# KiCad board haasoscope_pro_adc_fpga_board.kicad_pcb (continued)
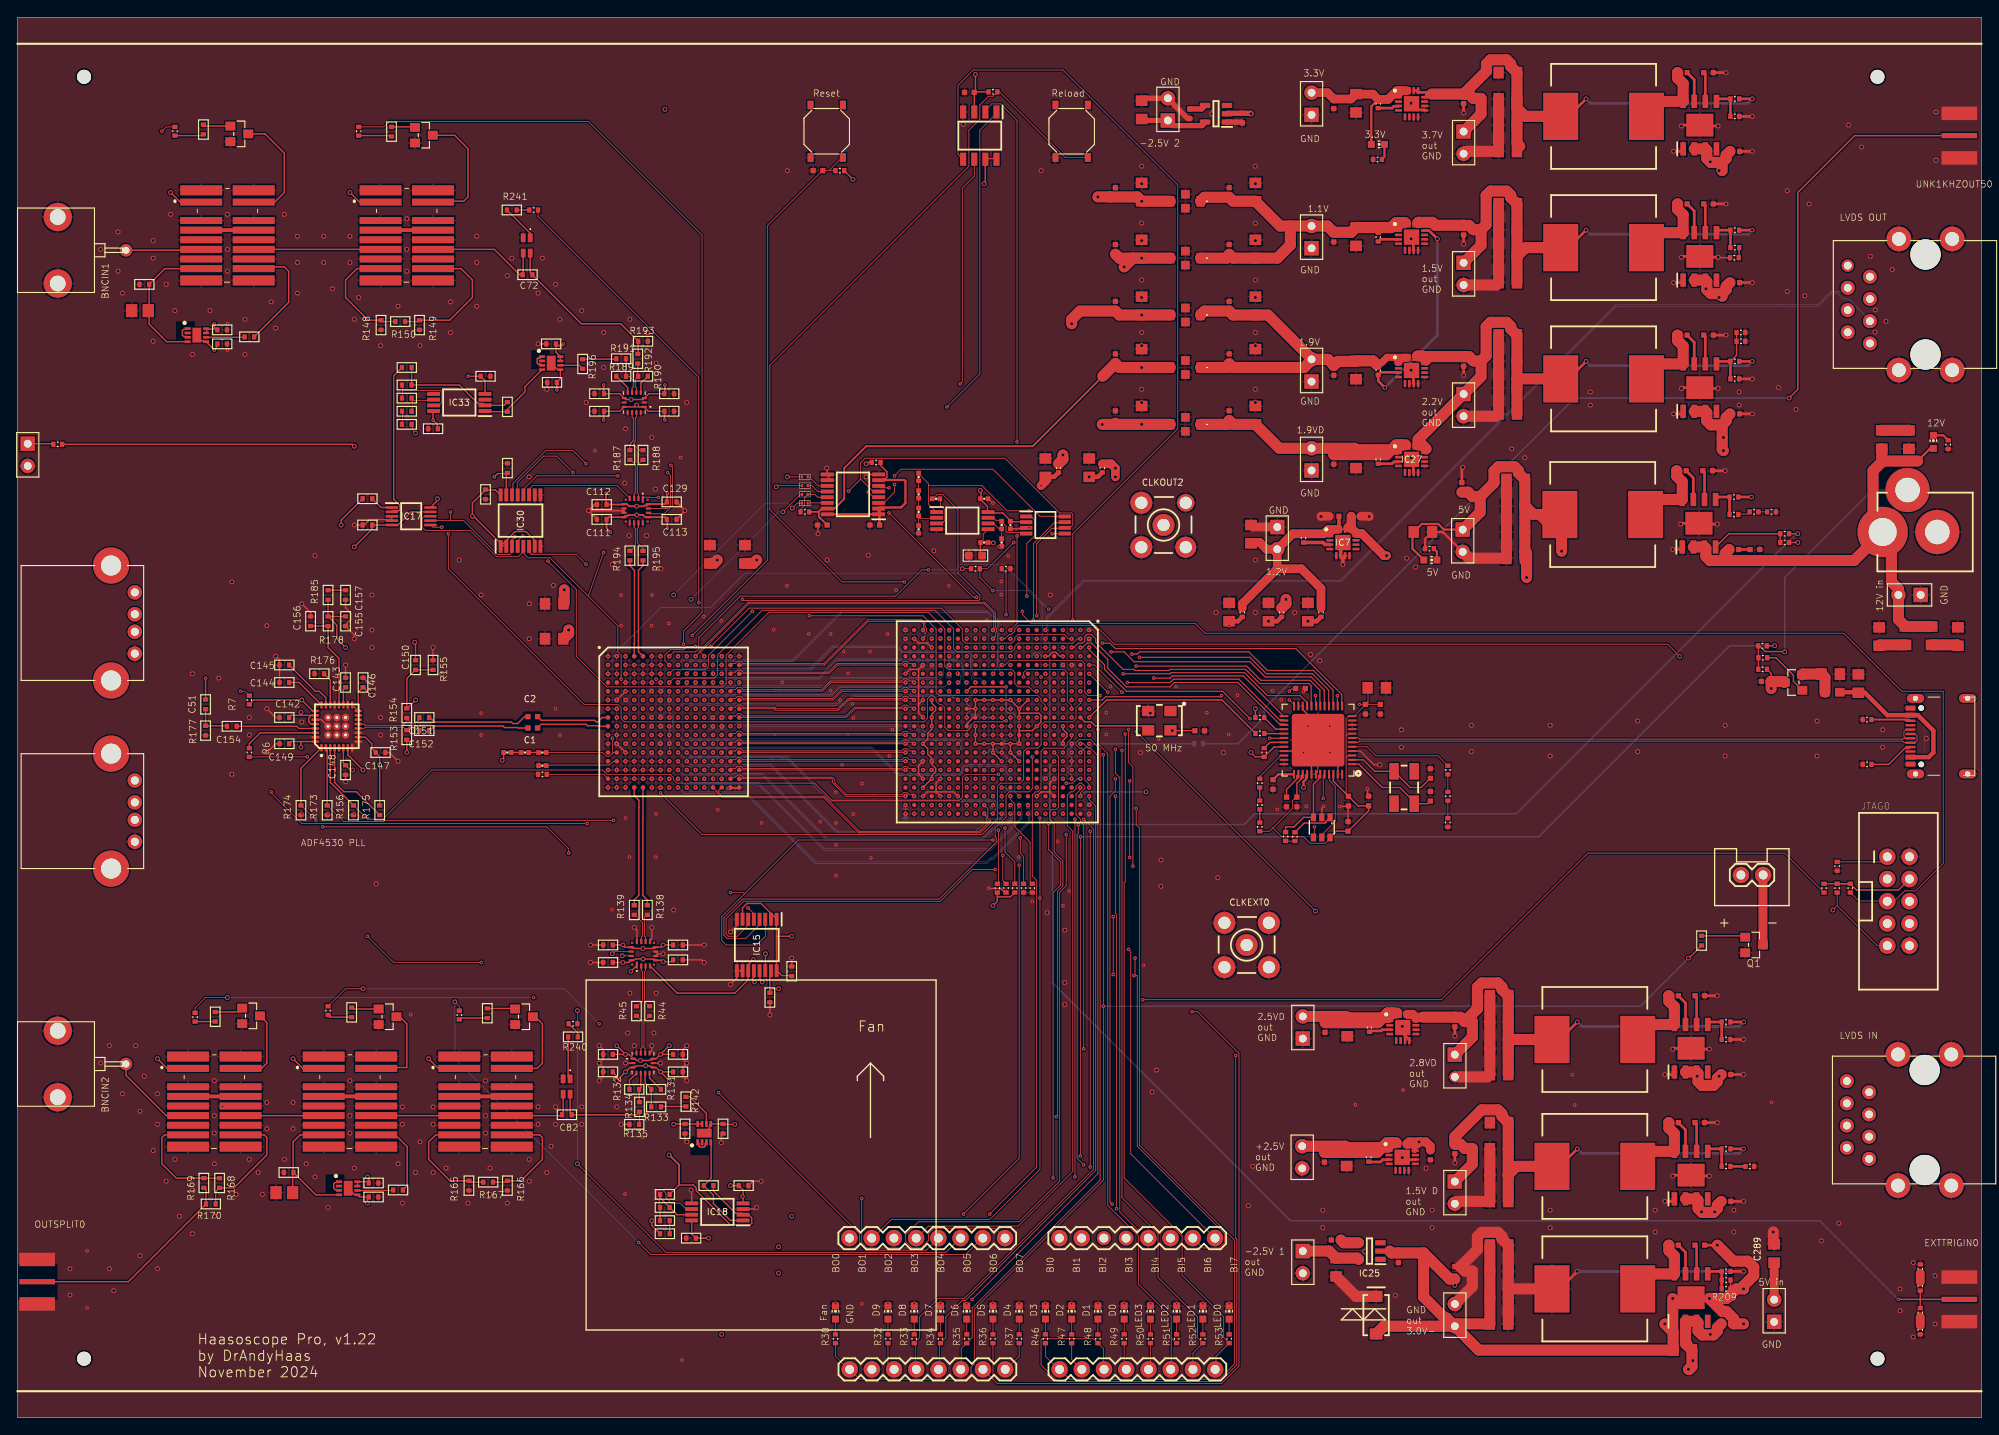
[diagram p0: board, top side]
## Nets (continued)
GND: BNCIN1.GND1 BNCIN1.GND2 BNCIN2.GND1 BNCIN2.GND2 C3.1 C4.1 C5.2 C5.4 C6.1 C7.1 C8.1 C9.1 C10.1 C11.1 C12.1 C13.1 C14.1 C15.2 C15.4 C16.1 C17.1 C18.1 C19.1 C20.1 C21.1 C22.1 C23.1 C24.1 C25.2 C25.4 C26.1 C27.1 C28.1 C29.1 C30.1 C31.1 C32.1 C33.1 C34.1 C35.2 C35.4 C36.1 C37.1 C38.1 C39.1 C40.1 C41.1 C42.1 C43.1 C44.2 C45.2 C45.4 C46.1 C47.1 C48.1 C49.1 C50.2 C52.2 C53.2 C54.2 C55.P$2 C56.P$2 C57.1 C58.1 C59.1 C60.1 C61.1 C62.1 C63.1 C64.1 C65.1 C66.1 C67.1 C68.1 C69.1 C70.1 C71.1 C73.2 C74.2 C75.P$2 C76.2 C77.2 C78.P$2 C79.1 C84.P$2 C85.P$2 C86.P$2 C87.P$2 C88.P$2 C89.P$2 C90.P$2 C91.P$2 C92.P$2 C93.P$2 C94.P$2 C95.P$2 C96.P$2 C97.P$2 C98.P$2 C107.P$2 C108.P$2 C109.P$2 C110.P$2 C111.P$2 C112.P$2 C113.P$2 C114.1 C115.1 C116.1 C117.1 C118.1 C119.1 C120.1 C121.1 C122.1 C123.1 C124.1 C125.1 C126.1 C127.2 C128.2 C129.P$2 C130.P$2 C131.P$2 C132.P$2 C133.P$2 C134.P$2 C135.P$2 C142.P$1 C143.P$2 C144.P$2 C145.P$1 C146.P$1 C147.P$1 C148.P$1 C149.P$2 C150.P$2 C155.P$2 C156.P$2 C157.P$2 C243.2 C244.2 C245.2 C246.2 C247.2 C248.2 C249.2 C250.2 C251.2 C252.2 C253.2 C254.2 C255.2 C256.2 C257.2 C258.2 C259.2 C261.2 C262.2 C263.2 C265.2 C266.2 C267.2 C269.2 C270.2 C271.2 C273.2 C274.2 C275.2 C277.2 C278.2 C282.1 C285.2 C286.2 C287.2 C289.2 C290.2 C291.2 C292.2 C293.2 C294.1 C295.1 C296.1 C297.1 C298.2 C299.2 C300.2 C301.2 C302.2 C303.2 C304.2 C305.2 C306.2 C307.2 C308.2 C309.2 C310.2 C311.2 C312.2 C313.2 C314.2 C315.2 C316.2 C317.2 C318.2 C321.2 C322.2 CLKEXT0.2 CLKEXT0.3 CLKEXT0.4 CLKEXT0.5 CLKOUT2.2 CLKOUT2.3 CLKOUT2.4 CLKOUT2.5 CN2.GND D10.C EXTTRIGIN0.GND@1 EXTTRIGIN0.GND@2 EXTTRIGIN0.GND@3 EXTTRIGIN0.GND@4 IC1.A1 IC1.A2 IC1.A3 IC1.A6 IC1.A7 IC1.A15 IC1.A16 IC1.B3 IC1.B4 IC1.B5 IC1.B6 IC1.B7 IC1.C1 IC1.C2 IC1.C3 IC1.C4 IC1.C5 IC1.C6 IC1.C7 IC1.D3 IC1.D4 IC1.D5 IC1.D6 IC1.D7 IC1.E3 IC1.E7 IC1.F1 IC1.F2 IC1.F7 IC1.G1 IC1.G2 IC1.G7 IC1.H2 IC1.H7 IC1.H8 IC1.H14 IC1.J2 IC1.J7 IC1.J8 IC1.J14 IC1.K1 IC1.K2 IC1.K7 IC1.L1 IC1.L2 IC1.L7 IC1.M3 IC1.M7 IC1.N3 IC1.N4 IC1.N5 IC1.N6 IC1.N7 IC1.P1 IC1.P2 IC1.P3 IC1.P4 IC1.P5 IC1.P6 IC1.P7 IC1.R2 IC1.R3 IC1.R4 IC1.R5 IC1.R6 IC1.R7 IC1.T1 IC1.T2 IC1.T3 IC1.T6 IC1.T7 IC1.T15 IC1.T16 IC2.8 IC2.9 IC2.10 IC3.3 IC4.4 IC5.A1 IC5.A22 IC5.AA2 IC5.AA22 IC5.AB1 IC5.AB6 IC5.AB22 IC5.C5 IC5.C9 IC5.C11 IC5.C12 IC5.C14 IC5.C16 IC5.C18 IC5.D3 IC5.D8 IC5.E18 IC5.E20 IC5.F3 IC5.F5 IC5.F12 IC5.G2 IC5.G20 IC5.H3 IC5.H12 IC5.H13 IC5.J9 IC5.J15 IC5.J19 IC5.K3 IC5.K10 IC5.K11 IC5.K12 IC5.K13 IC5.K16 IC5.L10 IC5.L11 IC5.L12 IC5.L13 IC5.L15 IC5.L20 IC5.M10 IC5.M11 IC5.M12 IC5.M13 IC5.N3 IC5.N10 IC5.N11 IC5.N12 IC5.N13 IC5.N15 IC5.P8 IC5.P19 IC5.R3 IC5.R9 IC5.R11 IC5.R13 IC5.T20 IC5.U3 IC5.U5 IC5.V18 IC5.V20 IC5.W3 IC5.Y5 IC5.Y9 IC5.Y11 IC5.Y12 IC5.Y15 IC5.Y16 IC5.Y18 IC5.Y20 IC6.4 IC7.5 IC7.6 IC7.7 IC7.8 IC7.17 IC8.4 IC8.9 IC8.10 IC8.11 IC8.22 IC8.23 IC8.33 IC8.35 IC8.36 IC8.41 IC8.42 IC8.47 IC8.48 IC8.THERMAL IC9.2 IC10.1 IC13.2 IC13.9 IC13.11 IC13.14 IC14.6 IC14.7 IC14.9 IC14.12 IC15.8 IC15.9 IC15.10 IC17.3 IC17.4 IC18.3 IC18.5 IC21.2 IC21.9 IC21.11 IC21.14 IC22.7 IC22.8 IC22.9 IC22.10 IC22.17 IC23.6 IC23.7 IC23.8 IC23.9 IC23.17 IC24.6 IC24.7 IC24.8 IC24.17 IC25.1 IC26.7 IC26.8 IC26.10 IC26.17 IC27.6 IC27.7 IC27.8 IC27.9 IC27.17 IC28.7 IC28.8 IC28.10 IC28.17 IC29.6 IC29.7 IC29.9 IC29.12 IC30.8 IC30.9 IC30.10 IC33.3 IC33.5 J1.2 J2.P$4 J3.1 J4.2 J8.5 J11.7 J15.P$4 J30.1 J31.1 J32.1 J33.1 J34.2 J35.1 J36.1 J37.1 J39.2 J40.2 J41.2 J42.2 J43.2 J44.1 J45.2 J46.1 JTAG0.2 JTAG0.10 K1.MP1 K1.MP2 K1.MP3 K1.MP4 K1.MP5 K1.MP6 K1.MP7 K1.MP8 K1.MP9 K1.MP10 K2.MP1 K2.MP2 K2.MP3 K2.MP4 K2.MP5 K2.MP6 K2.MP7 K2.MP8 K2.MP9 K2.MP10 K3.MP1 K3.MP2 K3.MP3 K3.MP4 K3.MP5 K3.MP6 K3.MP7 K3.MP8 K3.MP9 K3.MP10 K4.MP1 K4.MP2 K4.MP3 K4.MP4 K4.MP5 K4.MP6 K4.MP7 K4.MP8 K4.MP9 K4.MP10 K5.MP1 K5.MP2 K5.MP3 K5.MP4 K5.MP5 K5.MP6 K5.MP7 K5.MP8 K5.MP9 K5.MP10 K6.2 K7.2 L13.2 LED25.C LED26.C LED27.C LED28.C LED29.C LED30.C LED32.C LED41.C LED42.C LED43.C LED44.C LED45.C LED46.C LED47.C LED48.C OUTSPLIT0.GND@1 OUTSPLIT0.GND@2 OUTSPLIT0.GND@3 OUTSPLIT0.GND@4 PS2.1 PS2.9 PS9.1 PS9.9 PS10.1 PS10.9 PS11.1 PS11.9 PS12.1 PS12.9 PS14.1 PS14.9 Q1.2 Q4.2 Q5.2 Q7.2 Q8.2 Q9.2 R14.P$2 R41.P$1 R42.P$1 R81.P$2 R83.P$2 R85.P$2 R86.P$2 R93.P$1 R124.1 R125.1 R128.2 R135.P$1 R136.P$1 R137.P$1 R148.P$2 R149.P$2 R152.P$1 R156.P$1 R158.P$1 R163.P$1 R165.P$2 R166.P$2 R173.P$1 R174.P$1 R176.P$1 R177.P$1 R182.P$1 R183.P$1 R193.P$1 R204.P$1 R205.P$1 R207.1 R210.P$1 R217.P$1 R218.P$1 R222.P$1 R226.P$1 R228.P$1 R231.P$2 R235.P$1 SW3.4 SW4.4 U2.8 U2.9 U2.11 U2.18 U2.21 U2.27 U2.31 U2.PAD@1_1 U2.PAD@1_2 U2.PAD@1_3 U2.PAD@2_1 U2.PAD@2_2 U2.PAD@2_3 U2.PAD@3_1 U2.PAD@3_2 U2.PAD@3_3 U$1.S$1 U$1.S$2 U$1.S$3 U$1.S$4 U$3.S$1 U$3.S$2 U$3.S$3 U$3.S$4 UNK1KHZOUT50.GND@1 UNK1KHZOUT50.GND@2 UNK1KHZOUT50.GND@3 UNK1KHZOUT50.GND@4 X1.A1B12 X1.B1A12 Y2.2
V11_IN: C35.1 C36.2 C37.2 C45.1 C46.2 C47.2 C248.1 C249.1 IC24.1 IC24.15 IC24.16 J33.2 R215.P$1
V19_IN: C15.1 C16.2 C17.2 C25.1 C26.2 C27.2 C246.1 C247.1 IC23.1 IC23.15 IC23.16 J32.2 R214.P$1
VBUS: C118.2 FB2.1 X1.A4B9 X1.B4A9
VBUSCLEAN: C126.2 FB2.2 Q2.2
VCC1V8: C114.2 IC8.38
VCC3V3: C116.2 C119.2 C120.2 C121.2 C122.2 C123.2 C124.2 C125.2 IC8.3 IC8.8 IC8.12 IC8.24 IC8.39 IC8.46 IC9.6 R29.P$1
VCCA: C41.2 C71.2 IC5.F18 IC5.G6 IC5.T6 IC5.U18 R90.P$2
VCCA_FTDI: C115.2 IC8.37
VCCINT: C43.2 C69.2 IC5.G12 IC5.H9 IC5.J10 IC5.J11 IC5.J12 IC5.J13 IC5.J14 IC5.J16 IC5.K9 IC5.K14 IC5.K15 IC5.L9 IC5.L14 IC5.L16 IC5.M9 IC5.M14 IC5.M15 IC5.N9 IC5.N14 IC5.P9 IC5.P10 IC5.P11 IC5.P12 IC5.P13 IC5.P14 IC5.R8 IC5.R10 IC5.R12 R88.P$2
VCCIO2V5: C40.2 C61.2 C62.2 C65.2 C66.2 C67.2 C68.2 IC5.A21 IC5.AA6 IC5.AB2 IC5.AB21 IC5.D4 IC5.D12 IC5.D14 IC5.D16 IC5.D18 IC5.E19 IC5.F4 IC5.G19 IC5.H4 IC5.J20 IC5.K4 IC5.L19 IC5.N4 IC5.P18 IC5.R4 IC5.T19 IC5.U4 IC5.V19 IC5.W4 IC5.W5 IC5.W9 IC5.W11 IC5.W12 IC5.W16 IC5.W18 IC5.Y14 IC5.Y19 R87.P$2 R212.P$1
VCCIO3V3: C34.2 C63.2 C64.2 IC5.A2 IC5.D5 IC5.D9 IC5.D11 IC5.E8 R18.P$2
VCCPLL: C42.2 C70.2 IC5.E17 IC5.F6 IC5.U6 IC5.V17 R89.P$2
VDDD33: C3.2 IC2.1 IC2.2 IC2.7 IC2.16 R15.P$2
VDDL19: C4.2 C15.3 C18.2 C19.2 IC2.15 R5.P$1
1KHZOUT: J1.1 R206.P$1
1KHZOUT50: IC5.B15 R211.P$2
1MPATH: C79.2 FL3.4 K2.4 R158.P$2
1MPATH2: C57.2 FL2.4 K4.4 R42.P$2
1MPATH50: K2.5 R159.P$2
1MPATH502: K4.5 R43.P$2
50_1M_CONTROL: R8.P$1 R162.P$2
50_1M_CONTROL2: R12.P$1 R140.P$2
50PATH: K2.2 K2.7
50PATH2: K4.2 K4.7
ACDC_CONTROL: R9.P$1 R240.P$2
ACDC_CONTROL2: R13.P$1 R241.P$2
ADFCE: R175.P$1 U2.4
AIN2_N: IC21.5 R190.P$1 R192.P$2
AIN2_P: IC21.6 R189.P$1 R191.P$2
AIN_N: IC13.5 R132.P$1 R134.P$2
AIN_P: IC13.6 R131.P$1 R133.P$2
AMPOUT2_N: IC29.10 R194.P$1
AMPOUT2_P: IC29.11 R195.P$1
AMPOUT_N: IC14.10 R138.P$1
AMPOUT_P: IC14.11 R139.P$1
AMPSCLK: IC14.14 IC15.14
AMPSCLK2: IC29.14 IC30.14
AMPSCS: IC14.15 IC15.13
AMPSCS2: IC29.15 IC30.13
AMPSDI: IC14.1 IC15.12
AMPSDI2: IC29.1 IC30.12
AMPSDO: IC14.4 IC15.11
AMPSDO2: IC29.4 IC30.11
AOFFSET: R133.P$1 R142.P$2
AOFFSET2: R191.P$1 R196.P$2
AOUT2_N: IC21.12 R187.P$1
AOUT2_P: IC21.13 R188.P$1
AOUT_N: IC13.12 R44.P$1
AOUT_P: IC13.13 R45.P$1
AOUTSMA2_N: IC29.3 R187.P$2
AOUTSMA2_P: IC29.2 R188.P$2
AOUTSMA_N: IC14.3 R44.P$2
AOUTSMA_P: IC14.2 R45.P$2
ASDO: IC5.D1 IC6.5
ATT_CONTROL: R10.P$1 R164.P$2
ATT_CONTROL2: R22.P$1 R141.P$2
BOARDIN0: IC5.C17 J8.1
BOARDIN1: IC5.D13 J8.2
BOARDIN2: IC5.D15 J8.3 R238.P$2
BOARDIN3: IC5.D17 J8.4 R236.P$2
BOARDIN5: IC5.E15 J8.6 R7.P$2
BOARDIN6: IC5.E12 J8.7 R6.P$2
BOARDIN7: IC5.E14 J8.8 R16.P$2
BOARDOUT0: IC5.B17 J10.1 R12.P$2
BOARDOUT1: IC5.B18 J10.2 R13.P$2
BOARDOUT2: IC5.B19 J10.3 R22.P$2
BOARDOUT3: IC5.B20 J10.4 R206.P$2
BOARDOUT4: IC5.F13 J10.5 R8.P$2
BOARDOUT5: IC5.F14 J10.6 R9.P$2
BOARDOUT6: IC5.C13 J10.7 R10.P$2
BOARDOUT7: IC5.C15 J10.8 R11.P$2
CALSTAT: IC1.B1 R16.P$1
CC1: R183.P$2 X1.A5
CC2: R182.P$2 X1.B5
CLK_AC_N: C1.1 IC1.J1
CLK_AC_P: C2.2 IC1.H1
CLK_N: C1.2 C152.P$1
CLK_P: C2.1 C151.P$1
CLKEXT: CLKEXT0.1 IC5.A12
CLKOUT: C51.P$2 IC5.E5
CLKOUT2: CLKOUT2.1 IC5.E6
COIL1-: K2.8 Q7.3
COIL1-2: K4.8 Q4.3
COIL2-: K3.8 Q8.3
COIL2-2: K5.8 Q5.3
COIL3-: K1.8 Q9.3
CONF_DONE: IC5.M18 R80.P$1
CPOUT: C155.P$1 R178.P$2 R185.P$1 U2.7
DA0_N: IC1.A10 IC5.P3 R17.2
DA0_P: IC1.A9 IC5.P4 R17.1
DA1_N: IC1.B10 IC5.M6 R19.2
DA1_P: IC1.B9 IC5.L6 R19.1
DA2_N: IC1.C10 IC5.P7 R20.2
DA2_P: IC1.C9 IC5.N7 R20.1
DA3_N: IC1.D10 IC5.T7 R21.2
DA3_P: IC1.D9 IC5.R7 R21.1
DA4_N: IC1.E10 IC5.V5 R39.2
DA4_P: IC1.E9 IC5.V6 R39.1
DA5_N: IC1.F10 IC5.U8 R54.2
DA5_P: IC1.F9 IC5.U7 R54.1
DA6_N: IC1.A12 IC5.M1 R55.2
DA6_P: IC1.A11 IC5.M2 R55.1
DA7_N: IC1.B12 IC5.M3 R56.2
DA7_P: IC1.B11 IC5.M4 R56.1
DA8_N: IC1.C12 IC5.N1 R57.2
DA8_P: IC1.C11 IC5.N2 R57.1
DA9_N: IC1.D12 IC5.P1 R58.2
DA9_P: IC1.D11 IC5.P2 R58.1
DA10_N: IC1.E12 IC5.R1 R59.2
DA10_P: IC1.E11 IC5.R2 R59.1
DA11_N: IC1.F12 IC5.U1 R60.2
DA11_P: IC1.F11 IC5.U2 R60.1
DACAMPOUT1: FL1.4 IC18.1 R146.P$1
DACAMPOUT2: FL4.4 IC33.1 R200.P$1
DACLK_N: IC1.G10 IC5.T9 R61.2
DACLK_P: IC1.G9 IC5.T8 R61.1
DACOUT1: IC17.1 R143.P$2
DACOUT2: IC17.2 R197.P$2
DASTR_N: IC1.H10 IC5.T11 R62.2
DASTR_P: IC1.H9 IC5.T10 R62.1
DATA0: IC5.K1 IC6.2
DB0_N: IC1.T10 IC5.H22 R63.2
DB0_P: IC1.T9 IC5.H21 R63.1
DB1_N: IC1.R10 IC5.J22 R64.2
DB1_P: IC1.R9 IC5.J21 R64.1
DB2_N: IC1.P10 IC5.K22 R65.2
DB2_P: IC1.P9 IC5.K21 R65.1
DB3_N: IC1.N10 IC5.L22 R66.2
DB3_P: IC1.N9 IC5.L21 R66.1
DB4_N: IC1.M10 IC5.M22 R67.2
DB4_P: IC1.M9 IC5.M21 R67.1
DB5_N: IC1.L10 IC5.K17 R68.2
DB5_P: IC1.L9 IC5.K18 R68.1
DB6_N: IC1.T12 IC5.M20 R69.2
DB6_P: IC1.T11 IC5.M19 R69.1
DB7_N: IC1.R12 IC5.N20 R70.2
DB7_P: IC1.R11 IC5.N19 R70.1
DB8_N: IC1.P12 IC5.N17 R71.2
DB8_P: IC1.P11 IC5.N18 R71.1
DB9_N: IC1.N12 IC5.R18 R72.2
DB9_P: IC1.N11 IC5.R19 R72.1
DB10_N: IC1.M12 IC5.U20 R73.2
DB10_P: IC1.M11 IC5.U19 R73.1
DB11_N: IC1.L12 IC5.Y17 R74.2
DB11_P: IC1.L11 IC5.W17 R74.1
DBCLK_N: IC1.K10 IC5.T15 R75.2
DBCLK_P: IC1.K9 IC5.T14 R75.1
DBSTR_N: IC1.J10 IC5.T13 R76.2
DBSTR_P: IC1.J9 IC5.T12 R76.1
DC0_N: IC1.A14 IC5.V1 R77.2
DC0_P: IC1.A13 IC5.V2 R77.1
DC1_N: IC1.B14 IC5.W1 R94.2
DC1_P: IC1.B13 IC5.W2 R94.1
DC2_N: IC1.C14 IC5.N8 R95.2
DC2_P: IC1.C13 IC5.M8 R95.1
DC3_N: IC1.D14 IC5.Y10 R96.2
DC3_P: IC1.D13 IC5.W10 R96.1
DC4_N: IC1.E14 IC5.U14 R97.2
DC4_P: IC1.E13 IC5.V14 R97.1
DC5_N: IC1.F14 IC5.V15 R98.2
DC5_P: IC1.F13 IC5.U15 R98.1
DC6_N: IC1.G14 IC5.U17 R99.2
DC6_P: IC1.G13 IC5.U16 R99.1
DC7_N: IC1.B16 IC5.Y1 R100.2
DC7_P: IC1.B15 IC5.Y2 R100.1
DC8_N: IC1.C16 IC5.AB5 R101.2
DC8_P: IC1.C15 IC5.AA5 R101.1
DC9_N: IC1.D16 IC5.Y7 R102.2
DC9_P: IC1.D15 IC5.W7 R102.1
DC10_N: IC1.E16 IC5.AB7 R103.2
DC10_P: IC1.E15 IC5.AA7 R103.1
DC11_N: IC1.F16 IC5.AB8 R104.2
DC11_P: IC1.F15 IC5.AA8 R104.1
DCCLK_N: IC1.G16 IC5.AB9 R105.2
DCCLK_P: IC1.G15 IC5.AA9 R105.1
DCLK: IC5.K2 IC6.6
DCSTR_N: IC1.H16 IC5.AB10 R106.2
DCSTR_P: IC1.H15 IC5.AA10 R106.1
DD0_N: IC1.T14 IC5.N22 R107.2
DD0_P: IC1.T13 IC5.N21 R107.1
DD1_N: IC1.R14 IC5.P22 R108.2
DD1_P: IC1.R13 IC5.P21 R108.1
DD2_N: IC1.P14 IC5.R22 R109.2
DD2_P: IC1.P13 IC5.R21 R109.1
DD3_N: IC1.N14 IC5.U22 R110.2
DD3_P: IC1.N13 IC5.U21 R110.1
DD4_N: IC1.M14 IC5.V22 R111.2
DD4_P: IC1.M13 IC5.V21 R111.1
DD5_N: IC1.L14 IC5.Y22 R112.2
DD5_P: IC1.L13 IC5.Y21 R112.1
DD6_N: IC1.K14 IC5.W22 R113.2
DD6_P: IC1.K13 IC5.W21 R113.1
DD7_N: IC1.R16 IC5.AB20 R114.2
DD7_P: IC1.R15 IC5.AA20 R114.1
DD8_N: IC1.P16 IC5.AB17 R115.2
DD8_P: IC1.P15 IC5.AA17 R115.1
DD9_N: IC1.N16 IC5.AB16 R116.2
DD9_P: IC1.N15 IC5.AA16 R116.1
DD10_N: IC1.M16 IC5.AB15 R117.2
DD10_P: IC1.M15 IC5.AA15 R117.1
DD11_N: IC1.L16 IC5.AB14 R118.2
DD11_P: IC1.L15 IC5.AA14 R118.1
DDCLK_N: IC1.K16 IC5.AB13 R119.2
DDCLK_P: IC1.K15 IC5.AA13 R119.1
DDSTR_N: IC1.J16 IC5.Y13 R120.2
DDSTR_P: IC1.J15 IC5.W13 R120.1
DEBUGOUT0: IC5.A13 J13.5 R49.P$1
DEBUGOUT1: IC5.A14 J13.6 R48.P$1
DEBUGOUT2: IC5.A15 J13.7 R47.P$1
DEBUGOUT3: IC5.A16 J13.8 R46.P$1
DEBUGOUT4: IC5.A17 J11.1 R37.P$1
DEBUGOUT5: IC5.A18 J11.2 R36.P$1
DEBUGOUT6: IC5.A19 J11.3 R35.P$1
DEBUGOUT7: IC5.A20 J11.4 R34.P$1
DEBUGOUT8: IC5.B13 J11.5 R33.P$1
DEBUGOUT9: IC5.B14 J11.6 R32.P$1
EXTTRIGIN: EXTTRIGIN0.P IC5.E16 R31.P$2 R160.P$2
FAN-: JST_FAN0.2 Q1.3
FAN_CONTROL: IC5.B16 J11.8 R30.P$1 R208.P$2
FILTIN: K3.4 R165.P$1 R167.P$1
FILTIN2: K5.4 R148.P$1 R150.P$1
FILTOUT: K3.5 R166.P$1 R167.P$2
FILTOUT2: K5.5 R149.P$1 R150.P$2
FTDI_AC0_RXF: IC5.B7 IC8.21
FTDI_AC1_TXE: IC5.B4 IC8.25
FTDI_AC2_RD: IC5.B8 IC8.26
FTDI_AC3_WR: IC5.B3 IC8.27
FTDI_AC4_SIWU: IC8.28 R121.P$1
FTDI_AC5_CLK: IC5.A11 R184.P$2
FTDI_AC6_OE: IC5.A3 IC8.30
FTDI_AC7_PWRSAV: IC8.31 R123.P$1
FTDI_DATA0: IC5.G10 IC8.13
FTDI_DATA1: IC5.A9 IC8.14
FTDI_DATA2: IC5.D7 IC8.15
FTDI_DATA3: IC5.C8 IC8.16
FTDI_DATA4: IC5.C7 IC8.17
FTDI_DATA5: IC5.C6 IC8.18
FTDI_DATA6: IC5.C4 IC8.19
FTDI_DATA7: IC5.C3 IC8.20
INA_N: IC1.A5 R195.P$2
INA_P: IC1.A4 R194.P$2
INB_N: IC1.T5 R138.P$2
INB_P: IC1.T4 R139.P$2
INPATH: BNCIN2.SIGNAL K1.3
INPATH2: BNCIN1.SIGNAL K4.3
LED0: IC5.A5 J13.1 R53.P$1
LED1: IC5.A6 J13.2 R52.P$1
LED2: IC5.A7 J13.3 R51.P$1
LED3: IC5.A8 J13.4 R50.P$1
LOCKDETECT: R7.P$1 U2.25
LVDSIN_CLK_N: IC5.G22 R23.2 U$1.P$8
LVDSIN_CLK_P: IC5.G21 R23.1 U$1.P$7
LVDSIN_SPARE0_N: IC5.E22 R25.2 U$1.P$6
LVDSIN_SPARE0_P: IC5.E21 R25.1 U$1.P$3
LVDSIN_TRIG_N: IC5.D22 R24.2 U$1.P$2
LVDSIN_TRIG_P: IC5.D21 R24.1 U$1.P$1
LVDSIN_TRIGB_N: IC5.H1 R26.2 U$3.P$5
LVDSIN_TRIGB_P: IC5.H2 R26.1 U$3.P$4
LVDSOUT_CLK_N: IC5.J1 U$3.P$8
LVDSOUT_CLK_P: IC5.J2 U$3.P$7
LVDSOUT_SPARE0_N: IC5.F1 U$3.P$6
LVDSOUT_SPARE0_P: IC5.F2 U$3.P$3
LVDSOUT_TRIG_N: IC5.G3 U$3.P$2
LVDSOUT_TRIG_P: IC5.G4 U$3.P$1
LVDSOUT_TRIGB_N: IC5.F22 U$1.P$5
LVDSOUT_TRIGB_P: IC5.F21 U$1.P$4
MSEL0: IC5.M17 R83.P$1
MSEL1: IC5.L18 R84.P$1
MSEL2: IC5.L17 R85.P$1
MSEL3: IC5.K20 R86.P$1
MUXOUT: R6.P$1 U2.30
N$1: FL4.1 FL4.3
N$2: FL1.1 FL1.3
N$3: R27.P$1 R28.P$2
N$4: R28.P$1 R29.P$2
N$5: IC21.7 R189.P$2
N$6: IC21.4 R190.P$2
N$7: FL2.6 R43.P$1
N$8: IC13.7 R131.P$2
N$9: IC13.4 R132.P$2
N$10: Q1.1 R208.P$1
N$11: C51.P$1 C154.P$2 R177.P$2
N$12: FL2.1 FL2.3
N$13: R31.P$1 R136.P$2
N$14: Q4.1 R140.P$1
N$15: IC18.6 R144.P$2 R145.P$1
N$16: IC18.2 R143.P$1 R146.P$2 R147.P$1
N$17: C146.P$2 U2.19
N$18: Q5.1 R141.P$1
N$19: R38.P$1 R40.P$2
N$20: C145.P$2 U2.23
N$21: R176.P$2 U2.22
N$22: IC33.6 R180.P$2 R199.P$1
N$23: R137.P$2 R230.P$1
N$24: C157.P$1 R185.P$2
N$25: LED25.A R37.P$2
N$26: LED26.A R36.P$2
N$27: LED27.A R35.P$2
N$28: LED28.A R34.P$2
N$29: LED29.A R33.P$2
N$30: LED30.A R32.P$2
N$31: R160.P$1 R210.P$2
N$32: LED32.A R30.P$2
N$33: IC33.2 R197.P$1 R200.P$2 R201.P$1
N$34: R40.P$1 R41.P$2
N$35: R151.P$2 R234.P$1
N$36: R151.P$1 R152.P$2
N$37: R157.P$1 R179.P$2
N$38: R163.P$2 R224.P$1
N$39: R144.P$1 R172.P$1
N$40: R180.P$1 R181.P$1
N$41: LED41.A R53.P$2
N$42: LED42.A R52.P$2
N$43: LED43.A R51.P$2
N$44: LED44.A R50.P$2
N$45: LED45.A R49.P$2
N$46: LED46.A R48.P$2
N$47: LED47.A R47.P$2
N$48: LED48.A R46.P$2
N$49: R127.2 R186.1
N$50: FL3.6 R159.P$1
N$51: FL3.1 FL3.3
N$52: R211.P$1 UNK1KHZOUT50.P
N$53: Q7.1 R162.P$1
N$54: R186.2 R198.1
N$55: Q8.1 R164.P$1
N$56: Q9.1 R171.P$1
N$57: R122.2 R202.1
N$58: R202.2 R203.1
N$59: LED2.C R217.P$2
N$60: LED3.C R235.P$2
N$61: C74.1 IC10.4
N$62: C127.1 IC8.1 Y3.3
N$63: C128.1 IC8.2 Y3.1
N$64: K7.1 R240.P$1
N$65: Q2.1 R239.P$2
N$66: K6.1 R241.P$1
N$74: IC8.34 R27.P$2
N$75: IC8.43 IC9.3 R157.P$2
N$76: IC8.45 IC9.5
N$77: IC8.44 IC9.4
N$78: IC9.1 R179.P$1
N$80: IC8.29 R184.P$1
N$101: C242.2 C243.1
N$102: C250.1 IC25.4
N$105: C260.1 L1.1 PS2.8
N$106: C260.2 PS2.7
N$107: PS2.5 R221.P$1 R222.P$2
N$108: C261.1 PS2.6
N$109: C264.1 L9.1 PS9.8
N$110: C264.2 PS9.7
N$111: PS9.5 R223.P$1 R224.P$2
N$112: C265.1 PS9.6
N$113: C268.1 L10.1 PS10.8
N$114: C268.2 PS10.7
N$115: PS10.5 R204.P$2 R205.P$2 R225.P$1 R226.P$2
N$116: C269.1 PS10.6
N$117: C272.1 L11.1 PS11.8
N$118: C272.2 PS11.7
N$119: PS11.5 R227.P$1 R228.P$2
N$120: C273.1 PS11.6
N$121: C276.1 L12.1 PS12.8
N$122: C276.2 PS12.7
N$123: PS12.5 R229.P$1 R230.P$2
N$124: C277.1 PS12.6
N$125: C280.1 L13.1 PS13.8
N$126: C280.2 PS13.7
N$127: PS13.5 R209.P$2 R231.P$1 R232.P$2
N$128: C281.1 PS13.6
N$129: C284.1 L14.1 PS14.8
N$130: C284.2 PS14.7
N$131: PS14.5 R233.P$1 R234.P$2
N$132: C285.1 PS14.6
N$135: C283.2 C318.1
N$136: C319.2 C321.1
N$137: C320.2 C322.1
N$138: LED1.C R218.P$2
NCE: IC5.L3 R81.P$1
NCONFIG: IC5.K5 R79.P$1 SW3.2
NCSO: IC5.E2 IC6.1
NOFILT: K3.2 K3.7
NOFILT2: K5.2 K5.7
NOSPLIT: K1.2 K1.7
NSTATUS: IC5.K6 R82.P$1
OFFSETOUT: FL1.6 R142.P$1
OFFSETOUT2: FL4.6 R196.P$1
ORA0: IC1.B8 IC5.C2
ORA1: IC1.A8 IC5.C1
ORB0: IC1.D8 IC5.B2
ORB1: IC1.C8 IC5.B1
OSC_CLK_IN: IC5.B11 Y2.3
OUTPATH: K2.6 K3.3
OUTPATH2: K4.6 K5.3
OUTPATHFILT: C82.P$1 K3.6 K7.3
OUTPATHFILT2: C72.P$1 K5.6 K6.3
OUTPATHMAIN: C82.P$2 K7.4 R134.P$1 R135.P$2
OUTPATHMAIN2: C72.P$2 K6.4 R192.P$1 R193.P$2
OUTSPLIT: OUTSPLIT0.P R169.P$2 R170.P$2
OUTSPLITTER: K1.6 K2.3
PD: IC1.R1 R14.P$1
PG1V1: IC24.3 R215.P$2
PG1V2: IC7.3 R161.P$2
PG1V9: IC23.3 IC24.12 R214.P$2
PG1V9D: IC27.3 R219.P$2
PG2V5D: IC28.3 R220.P$2
PG3V3: IC22.3 R213.P$2
PG12V: PS14.4 R212.P$2 R236.P$1
PG25: IC26.3 R216.P$2
REF: IC8.5 R38.P$2
REF_CLK: C154.P$1 U2.29
RESET_IN: C60.2 IC5.D10 R78.P$1 SW4.2
RFOUTA_N: C151.P$2 R154.P$1 U2.13
RFOUTA_P: C152.P$2 R153.P$1 U2.12
SCLK: IC1.T8 R4.2
SCLK3: IC2.3 IC3.8 IC5.E10 IC15.3 IC17.7 IC30.3 R174.P$2 U2.1
SCLKT: IC2.14 R4.1
SCS: IC1.R8 R3.2
SCS3_ADC: IC2.4 IC5.F8
SCS3_CLK: IC5.G11 R156.P$2 U2.3
SCS3_IN1: IC5.G7 IC15.4
SCS3_IN1DAC: IC5.G9 IC17.6
SCS3_IN2: IC5.G8 IC30.4
SCS3_SLOWADC: IC3.1 IC5.C10
SCST: IC2.13 R3.1 R5.P$2
SDI: IC1.P8 R2.2
SDI3: IC2.5 IC3.6 IC5.F7 IC15.5 IC17.8 IC30.5 R173.P$2 U2.2
SDIT: IC2.12 R2.1
SDO: IC1.N8 R1.2
SDO3_ADC: IC2.6 IC5.F10
SDO3_IN1: IC5.A10 IC15.6
SDO3_IN2: IC5.B9 IC30.6
SDO3_SLOWADC: IC3.7 IC5.E9
SDOT: IC2.11 R1.1
SLOWADCIN1: IC4.3 R129.2
SLOWADCIN1-: IC4.2 R124.2 R203.2
SLOWADCIN2: IC4.5 R130.2 R207.2
SLOWADCIN2-: IC4.6 R125.2 R126.1
SLOWADCOUT1: IC3.5 IC4.1 R122.1
SLOWADCOUT2: IC3.4 IC4.7 R126.2
SPLIT: K1.4 R168.P$1 R169.P$1
SPLIT_CONTROL: R11.P$1 R171.P$2
SPLITOUT: K1.5 R168.P$2 R170.P$1
TCK: IC5.L2 JTAG0.1 R93.P$2
TDI: IC5.L5 JTAG0.9 R92.P$1
TDIODE1: IC1.M2 R129.1 R198.2
TDIODE2: IC1.N2 R128.1
TDO: IC5.L4 JTAG0.3
TMS: IC5.L1 JTAG0.5 R91.P$1
USB_D_N: IC8.7 X1.A6 X1.B6
USB_D_P: IC8.6 X1.A7 X1.B7
VA11: C21.2 C22.2 C23.2 C32.2 C33.2 C35.3 C38.2 C39.2 IC1.E4 IC1.E5 IC1.E6 IC1.F3 IC1.F4 IC1.F5 IC1.F6 IC1.L3 IC1.L4 IC1.L5 IC1.L6 IC1.M4 IC1.M5 IC1.M6
VA19: C13.2 C14.2 C20.2 C25.3 C28.2 C29.2 IC1.G3 IC1.G4 IC1.G5 IC1.G6 IC1.H3 IC1.H4 IC1.H5 IC1.H6 IC1.J3 IC1.J4 IC1.J5 IC1.J6 IC1.K3 IC1.K4 IC1.K5 IC1.K6
VD11: C24.2 C30.2 C31.2 C45.3 C48.2 C49.2 IC1.E8 IC1.F8 IC1.G8 IC1.K8 IC1.L8 IC1.M8
VLVDS: C5.3 C8.2 C9.2 C10.2 C11.2 C12.2 IC1.G11 IC1.G12 IC1.H11 IC1.H12 IC1.H13 IC1.J11 IC1.J12 IC1.J13 IC1.K11 IC1.K12
VLVDS_IN: C5.1 C6.2 C7.2 C255.1 C256.1 IC27.1 IC27.15 IC27.16 J36.2 R219.P$1
VOUT: C150.P$1 R153.P$2 R154.P$2 R155.P$2
VREF2: C144.P$1 U2.24
VTUNE: C156.P$1 R178.P$1 U2.20

Pads without a net: FL1 2; FL2 2; FL3 2; FL4 2; IC1 B2 D1 D2 E1 E2 M1 N1; IC5 A4 AA1 AA3 AA4 AA11 AA12 AA18 AA19 AA21 AB3 AB4 AB11 AB12 AB18 AB19 B5 B6 B10 B12 B21 B22 C19 C20 C21 C22 D2 D6 D19 D20 E1 E3 E4 E7 E11 E13 F9 F11 F15 F16 F17 F19 F20 G1 G5 G13 G14 G15 G16 G17 G18 H5 H6 H7 H8 H10 H11 H14 H15 H16 H17 H18 H19 H20 J3 J4 J5 J6 J7 J8 J17 J18 K7 K8 K19 L7 L8 M5 M7 M16 N5 N6 N16 P5 P6 P15 P16 P17 P20 R5 R6 R14 R15 R16 R17 R20 T1 T2 T3 T4 T5 T16 T17 T18 T21 T22 U9 U10 U11 U12 U13 V3 V4 V7 V8 V9 V10 V11 V12 V13 V16 W6 W8 W14 W15 W19 W20 Y3 Y4 Y6 Y8; IC7 2 4 9 10 11; IC10 3; IC14 17 18 19 20; IC22 2 4 5 6 11; IC23 2 4 5 10 11; IC24 2 4 5 9 10 11; IC25 3; IC26 2 4 5 6 9 11; IC27 2 4 5 10 11; IC28 2 4 5 6 9 11; IC29 17 18 19 20; J2 P$2 P$3 S$1 S$2; J15 P$2 P$3 S$1 S$2; JTAG0 6 7 8; PS2 4; PS9 4; PS10 4; PS11 4; PS12 4; PS13 4; SW3 1 3; SW4 1 3; U2 5 14 15; X1 A8 B8 M1 M2 M3 M4; Y2 1; Y3 2 4

## Via types
v1: diameter 0.4, hole 0.2, Top to Bottom, 839 vias
v2: diameter 0.55, hole 0.35, Top to Bottom, 516 vias
v3: diameter 0.505, hole 0.305, Top to Bottom, 5 vias

## Routing (per net, layer and track width the routed paths; a pad name or vN(x,y) marks a point on that pad's centre or on a via; arc(x,y) is an arc through that point)
1V2: length 31.3
  Top w0.406: C53.1 151.05,101.8 IC7.16 ; IC7.16 150.97,101.5 150.97,101.5 ; IC7.16 IC7.15 ; IC7.16 IC7.1
  Top w1: 150.97,101.5 149.82,101.5 149.31,101 R161.P$1 145.77,101 J3.2 ; 144,97 146.75,97 149,94.75 R88.P$1 ; 144,97 140,93 R89.P$1 ; 144,97 J3.2 ; J3.2 142.77,99.23 142,100 141.1,100 C52.1
1V5: length 60.6
  Top w0.305: L9.2 177.3,133.7 v2(179.3,135.7) ; IC24.14 IC24.13 160.05,136.45 160.1,136.56 ; R223.P$2 v2(198.3,135.7)
  Top w1.27: 167.3,135.75 167.88,136.33 167.88,139.67 168.37,140.16 170.23,140.16 170.69,139.7 170.69,139.41 C311.1 C310.1 C312.1 ; 167.3,135.75 167.3,133.97 J40.1 ; 167.3,135.75 166.42,135.75 165.93,136.24 165.31,136.24 C266.1 162.08,136.25 161.74,136.59 160.13,136.59 160.1,136.56 ; L9.2 172.4,133.7 C312.1 ; C312.1 C313.1
  Bottom w0.305: v2(198.3,135.7) 197.8,135.2 197.75,135.25 179.75,135.25 v2(179.3,135.7)
1V5D: length 139.6
  Top w0.127: IC7.14 IC7.13
  Top w0.305: v2(178.3,30.7) 176.3,28.7 L12.2 ; R229.P$2 v2(197.3,30.7)
  Top w0.406: IC7.12 153,100.75 153,101.13 ; IC7.13 151.77,101.5 151.97,101.71 152.06,101.71
  Top w1: 152.06,101.71 152.45,102.1 C54.1 152.45,101.69 153.11,101.03 153.66,101.03 156.19,98.5 v2(156.5,98.5)
  Top w1.27: C300.1 170.4,27.75 171.35,28.7 175.5,28.7 ; C300.1 C298.1 C299.1 169.69,34.41 169.69,34.7 169.23,35.16 167.37,35.16 164.3,32.09 C278.1 164.31,31.24 164.93,31.24 165.42,30.75 166.3,30.75 166.3,28.97 J43.1 ; C300.1 C301.1
  In4.Cu w1: v2(156.5,98.5) 162,93 162,29.27 J43.1
  Bottom w0.305: v2(178.3,30.7) 178.8,30.2 196.8,30.2 v2(197.3,30.7)
1V25OUT-1: length 4.8
  Top w0.152: IC18.7 75.38,23.18 R145.P$2 73.45,25.1 R147.P$2
1V25OUT-2: length 8.5
  Top w0.089: IC33.7 47.62,115.75 48.25,115.75 48.5,116 48.5,117.25 48.37,117.38 44,117.38 ; 44,117.38 44,116.5 ; 44,117.38 44,118 R201.P$2
  Top w0.152: R199.P$2 44,116.5
2V2: length 72.3
  Top w0.305: 160.62,121.25 160.05,121.2 IC23.13 ; 161.01,120.86 160.8,120.45 IC23.12 ; 160.05,110.95 IC27.13 ; 160.05,110.95 160,111 IC27.14 ; 160.05,110.95 160.55,111.16 ; 160.04,121.32 159.76,121.32 IC23.14 ; R225.P$2 v2(198.3,120.7) ; L10.2 177.3,118.7 v2(179.3,120.7) ; IC27.12 160.85,110.54 161.01,110.7
  Top w1.27: 167.3,120.75 167.88,121.33 167.88,124.67 168.37,125.16 170.23,125.16 170.69,124.7 170.69,124.41 C307.1 C306.1 171.4,118.7 ; 167.3,120.75 166.42,120.75 165.93,121.24 165.31,121.24 C270.1 160.62,121.25 ; 167.3,120.75 167.3,118.97 J41.1 160.1,111.77 160.1,111.16 160.55,111.16 161.01,110.7 ; 171.4,118.7 C308.1 C309.1 ; 171.4,118.7 L10.2 ; 160.62,121.25 161.01,120.86 ; 160.62,121.25 160.55,121.32 160.04,121.32
  Bottom w0.305: v2(179.3,120.7) 179.8,120.2 197.8,120.2 v2(198.3,120.7)
2V5+: length 152.9
  Top w0.152: v2(75,33.5) 75.05,33.55 C94.P$1 FL1.8 FL1.7 ; v2(69.5,41.5) C84.P$1 ; v2(69.5,41.5) 69.9,41.5 IC13.1 70.56,41 70.76,40.8 v2(71.2,40.8) 72.24,40.8 72.32,40.88 72.53,40.88 IC13.10 73,41 v2(73.5,41.5) ; v2(69.5,41.5) v2(68.5,42.5) ; C107.P$1 72.1,115 IC21.1 70.98,115.5 v2(70.78,115.7) 70.58,115.5 IC21.10 68.85,115 C109.P$1 ; FL2.7 21.62,124 21.62,124.38 ; 21.62,124.38 FL2.8 ; 21.62,124.38 22.5,124.38 ; C90.P$1 v2(69.2,54) 69.45,53.75 IC14.13 70.27,53.63 70.55,53.63 70.58,53.6 v2(71.5,53.6) 72.52,53.6 72.55,53.63 72.83,53.63 IC14.8 73.55,53.75 v2(73.8,54) C88.P$1 ; IC18.8 77.06,20.99 77.53,20.53 ; 55.87,107.88 54.87,107.88 v1(54.5,107.5) ; 55.87,107.88 C130.P$1 56,107.88 55.87,107.88 ; 55.87,107.88 IC30.15 ; C55.P$1 22.75,124.38 22.5,124.38 ; FL4.7 FL4.8 61.55,121.75 C132.P$1 ; C92.P$1 86,49 ; 86,49 86,50.94 IC15.15 ; 86,49 v2(87,49) ; C134.P$1 48,113 48,113.5 v1(47.5,114) 47.5,115 IC33.8 ; v1(22.5,125) 22.5,124.38 ; v2(73.5,41.5) v2(74.5,42.5) ; v2(73.5,41.5) C86.P$1 ; FL3.7 38.87,26.5 38.87,26.88 FL3.8 40,26.95 C75.P$1 40.15,27.35 v2(40,27.5)
  Top w0.2: C107.P$1 73.95,114.05 v1(74,114) ; 77.53,20.53 C96.P$1 v2(79,20.5) ; C109.P$1 67,114.95 v1(67,114) ; v1(74.28,101.64) 74.28,102.59 C113.P$1 73.98,102.89 IC29.13 71.77,102.89 71.51,103.15 70.79,103.15 v2(70.78,103.14) 69.83,103.14 69.72,103.04 69.48,103.04 IC29.8 67.58,102.89 C111.P$1 67.33,101.64 v1(67.78,101.19) ; v1(62.4,122.7) 62.2,122.5 61.55,122.5
  Top w0.305: 157.59,31.4 158.05,31.45 IC26.15 ; R216.P$1 154.55,30.45 154.55,30.84 ; IC26.16 157.55,31.45 157.08,31.4 ; 156.62,30.94 156.8,30.45 IC26.1
  Top w1.27: J35.2 151.76,31.01 C253.1 155.97,30.84 156.53,31.4 157.08,31.4 ; 157.59,31.4 157.08,31.4 ; 157.08,31.4 156.62,30.94 156.62,30.93 156.05,30.93 155.42,30.29 C254.1
  In4.Cu w1.27: J35.2 141.84,26 91.5,26 87,21.5 v2(87,16.5)
  vias: v2(87,19.5) v2(88.5,23)
2V5-1: length 105.5
  Top w0.152: v2(40,24.5) 40,25.05 C78.P$1 39.1,25.2 FL3.5 38.55,25.45 FL3.9 ; 82.94,25.25 82.94,26.01 C97.P$1 v2(81.5,26.5) ; 82.94,25.25 v3(82.88,25.25) ; 82.94,25.25 IC18.4 ; v2(82,33.5) 80.55,33.5 80.5,33.55 ; 80.5,33.55 FL1.5 79.1,33.4 79.1,33.12 78.5,32.51 FL1.9 ; 80.5,33.55 C95.P$1 ; C85.P$1 68.5,39.05 v2(68.5,38.5) v2(69.5,39.5) 70,40 IC13.3 70.47,40.12 70.68,40.12 70.76,40.2 v2(71.8,40.2) 72.24,40.2 72.32,40.12 72.53,40.12 IC13.8 73,40 v2(73.5,39.5) ; v2(73.5,39.5) v2(74.5,38.5) ; v2(73.5,39.5) C87.P$1 ; C89.P$1 74.75,52.1 v2(73.8,52.1) 73.65,52.25 IC14.5 72.83,52.37 72.55,52.37 72.52,52.4 v2(71.5,52.4) 71.5,52.4 70.62,52.4 70.47,52.25 IC14.16 70.03,52.13 70.02,52.13 69.89,52 v2(69.2,52) C91.P$1
  Top w1.27: J34.1 149.92,19.02 C251.1 153.14,18.22 IC25.5
  In4.Cu w1.27: J34.1 137.4,9.5 v2(80.5,9.5)